# Altium PCB 8-8控制板.PcbDoc (part 4 of 5)
Units mm, origin at the board's own origin, x right, y up, seen from the top; angles counter-clockwise.
Board outline 201.71 x 160.33 mm, 2 copper layers (Top Layer, Bottom Layer); 240 components, 178 nets, 689 pads, 262 vias.
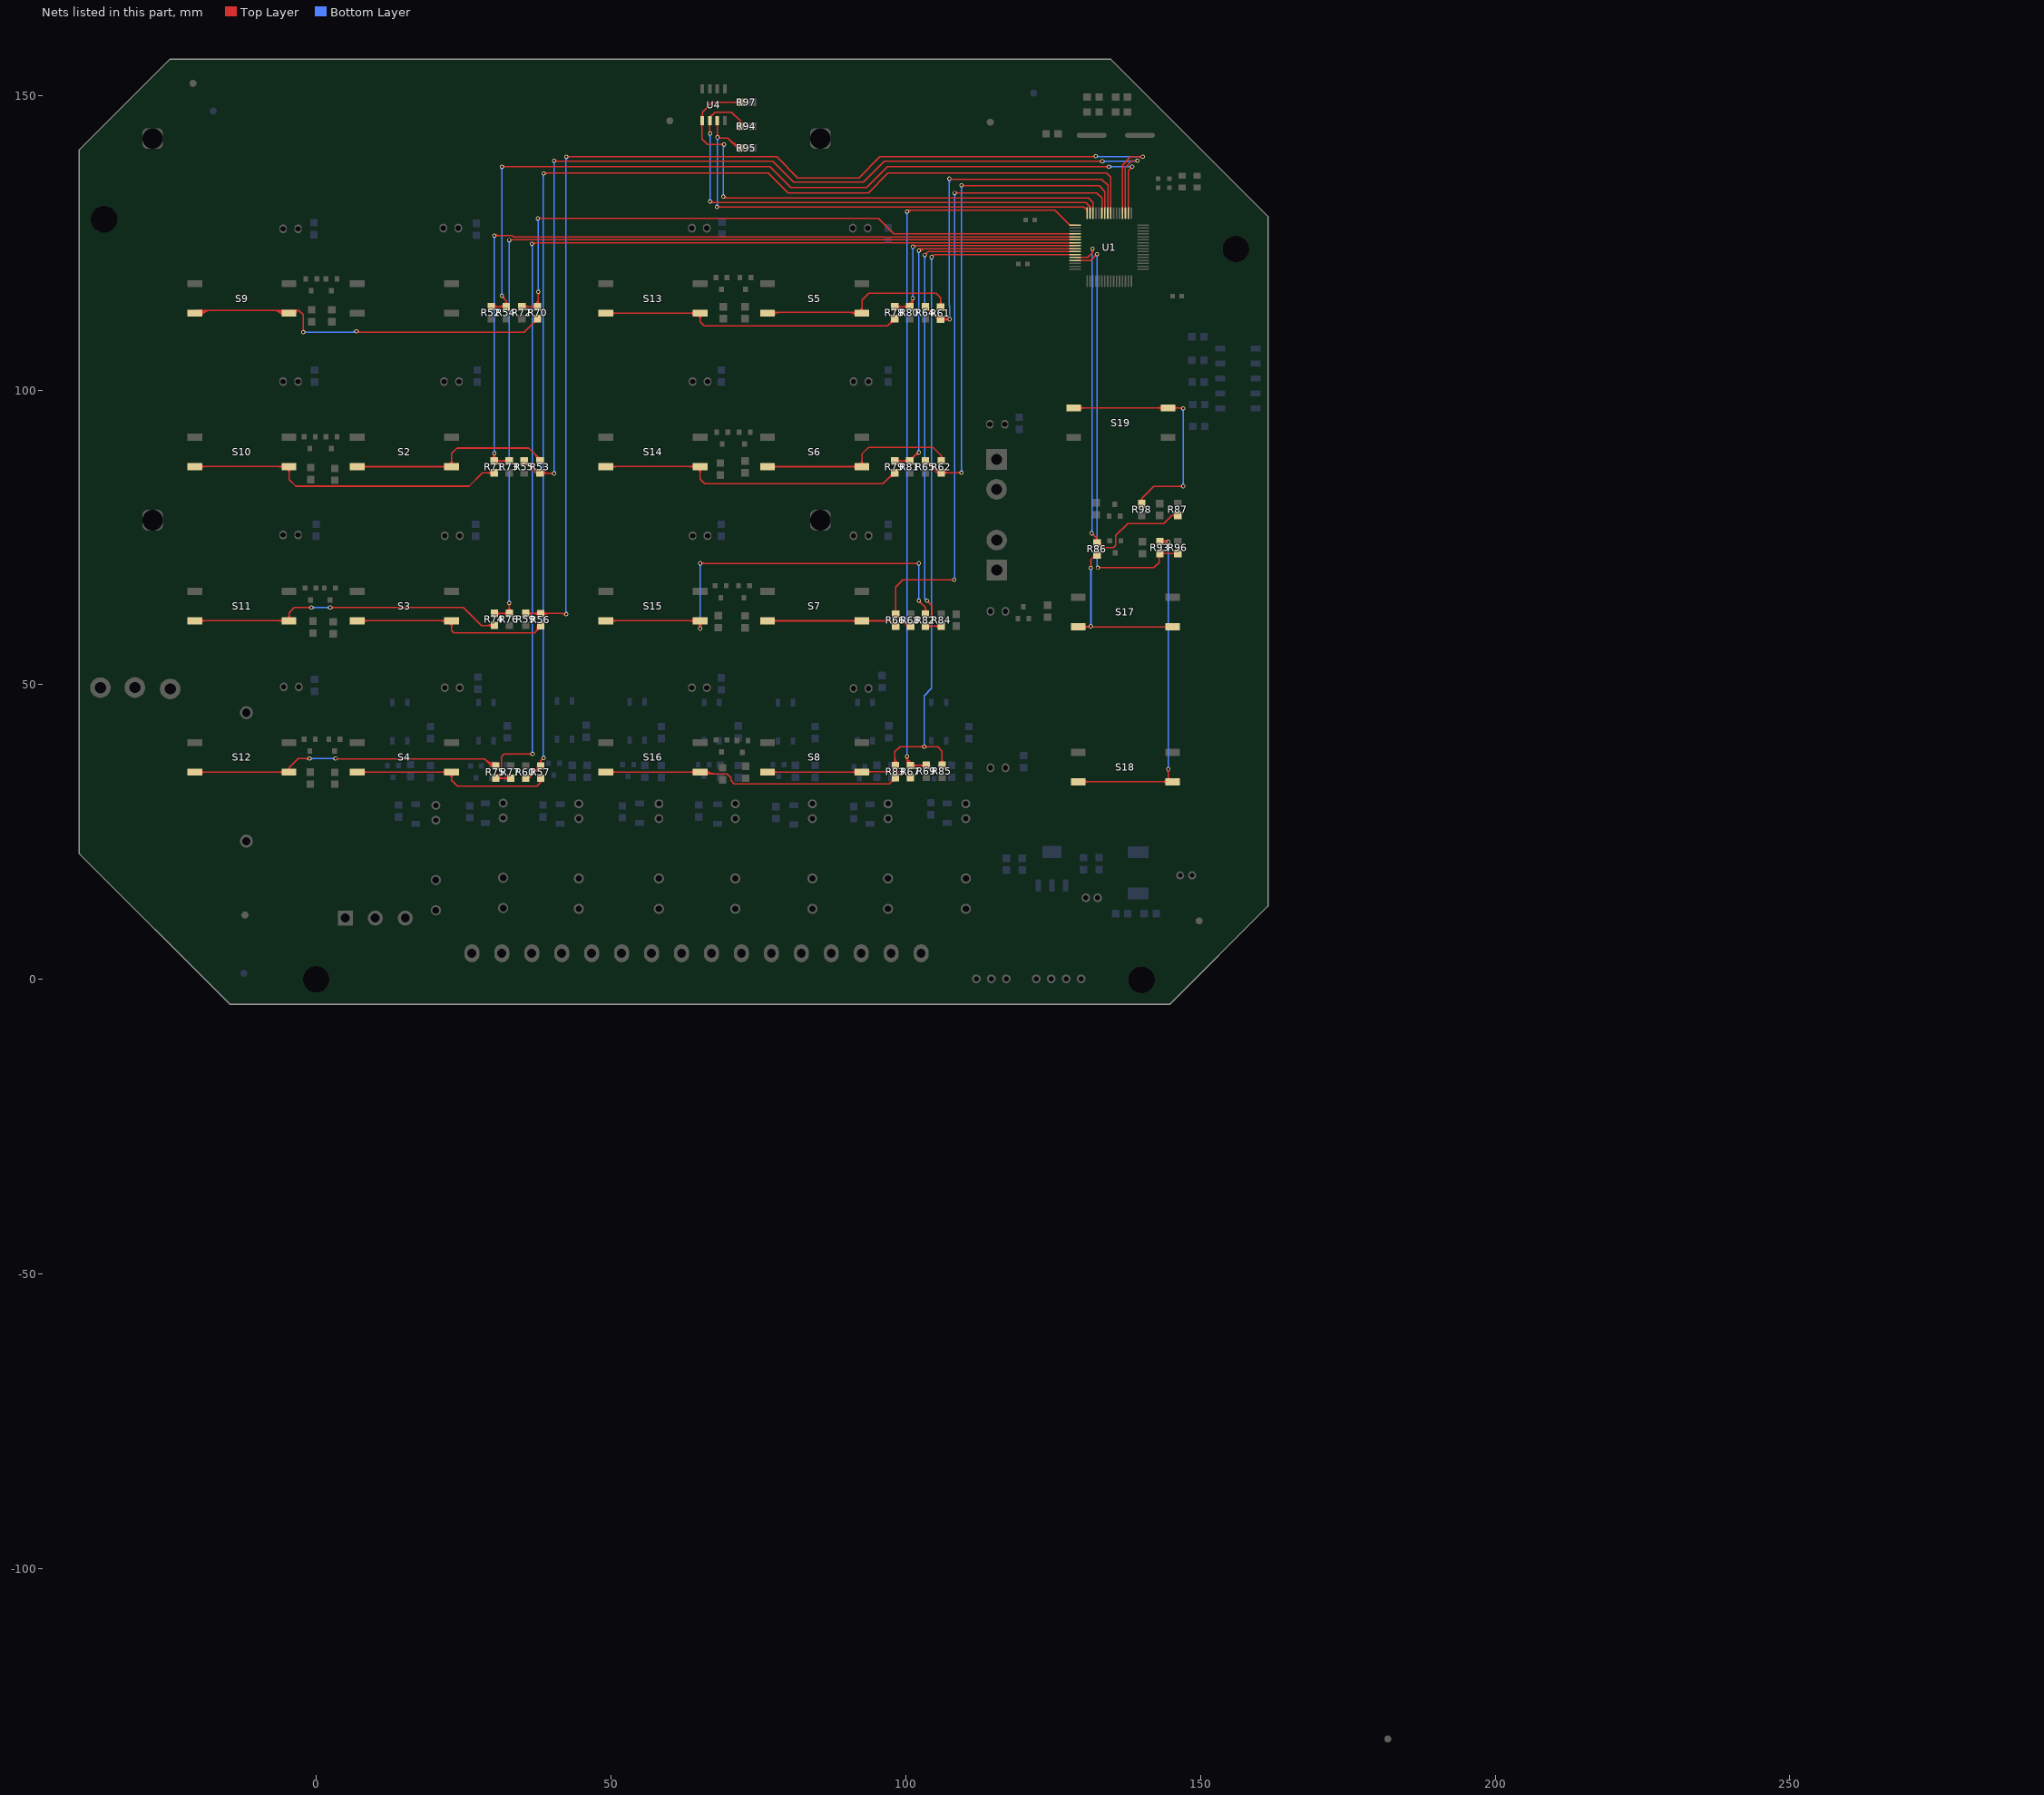
[diagram p4: the nets of this part, all layers, seen from the top]

## Via types
v1: diameter 0.7, hole 0.4, Top Layer to Bottom Layer, 242 vias
v2: diameter 0.7, hole 0.5, Top Layer to Bottom Layer, 18 vias
v3: diameter 1, hole 0.4, Top Layer to Bottom Layer, 2 vias

## Nets (pads, with @x,y where several pads share a name; then routed paths per layer and width w, separated by ;. In a path a pad name is that pad's centre, name@x,y a point inside that pad or via, vN(x,y) a via of type N, cw(c..) or ccw(c..) an arc to the next point about the centre after c; other vN are vias at no path point) (continued)
NetR52_2: R52.2 R54.2 U1.2 | length 161.1
  Top Layer w0.203: R52.2@29.693,114.148 R54.2@32.233,114.148 32.233,115.214 ; R52.2@29.926,113.914 cw(c30.49,113.35) 30.49,114.148 cw(c30.49,114.945) R52.2@29.926,114.381 ; R52.2@30.07,113.77 cw(c30.98,112.86) 30.98,114.148 cw(c30.98,115.435) R52.2@30.07,114.525 ; v1@31.496,115.703 cw(c31.496,115.103) 31.92,115.527 cw(c32.344,115.951) v1@31.744,115.951 ; v1(31.496,115.951) 32.233,115.214 ; v1(31.496,137.922) 31.521,137.897 76.962,137.897 80.493,134.366 93.37,134.366 96.901,137.897 v1(134.493,137.897) ; v1@31.672,137.746 cw(c32.034,137.384) 32.034,137.897 ; v1@31.672,138.098 ccw(c32.157,138.583) 32.157,137.897 ; R54.2@31.855,113.77 ccw(c30.945,112.86) 30.945,114.148 ccw(c30.945,115.435) R54.2@31.855,114.525 ; R54.2@31.913,114.574 ccw(c31.433,115.214) 32.233,115.214 ; R54.2@31.999,113.914 ccw(c31.435,113.35) 31.435,114.148 ccw(c31.435,114.945) R54.2@31.999,114.381 ; R54.2@32.034,114.412 ccw(c31.737,114.808) 32.233,114.808 ccw(c32.728,114.808) R54.2@32.431,114.412 ; R54.2@32.553,114.574 cw(c33.033,115.214) 32.233,115.214 ; v1@134.317,137.721 ccw(c133.893,137.297) 133.893,137.897 ccw(c133.893,138.496) v1@134.317,138.072 ; U1.2@137.778,130.023 137.778,137.244 v1(138.43,137.897) ; v1@138.182,137.897 cw(c137.582,137.897) 138.006,137.473 cw(c138.43,137.049) v1@138.43,137.648
  Bottom Layer w0.203: v1@31.32,116.127 ccw(c30.896,116.551) 31.496,116.551 ccw(c32.096,116.551) v1@31.672,116.127 ; v1@31.32,137.746 cw(c30.896,137.322) 31.496,137.322 cw(c32.096,137.322) v1@31.672,137.746 ; v1(31.496,115.951) v1(31.496,137.922) ; v1(134.493,137.897) v1(138.43,137.897) ; v1@134.669,137.721 cw(c135.093,137.297) 135.093,137.897 cw(c135.093,138.496) v1@134.669,138.072 ; v1@138.254,137.721 ccw(c137.83,137.297) 137.83,137.897 ccw(c137.83,138.496) v1@138.254,138.072
NetR53_1: R53.1 S2.2 S2.3 | length 43
  Top Layer w0.254: S2.2@6.961,87.01 S2.3@22.961,87.01 22.987,87.036 22.987,89.281 23.876,90.17 36.068,90.17 37.973,88.265 R53.1@37.973,88.011 ; S2.2@7.945,86.675 cw(c8.753,85.868) 8.753,87.01 cw(c8.753,88.151) S2.2@7.945,87.344 ; S2.3@21.976,86.675 ccw(c21.169,85.868) 21.169,87.01 ccw(c21.169,88.151) S2.3@21.976,87.344 ; S2.3@22.626,87.344 ccw(c21.755,88.215) 22.987,88.215 ; 22.987,88.088 ccw(c24.039,88.088) S2.3@23.295,87.344 ; 36.926,89.312 cw(c35.625,88.011) R53.1@37.465,88.011 ; 37.36,88.878 cw(c36.493,88.011) R53.1@37.719,88.011 ; 37.539,88.699 ccw(c37.973,89.132) R53.1@37.973,88.519
NetR53_2: R53.2 R55.2 U1.3 | length 194.1
  Top Layer w0.203: R55.2@35.281,87.452 cw(c35.281,86.164) 36.191,87.075 cw(c37.102,87.986) R55.2@35.814,87.986 ; R55.2@35.281,87.655 cw(c35.281,86.858) 35.844,87.422 cw(c36.408,87.986) R55.2@35.611,87.986 ; R55.2@35.281,87.986 37.287,85.979 ; R55.2@35.892,87.375 ccw(c37.973,89.456) R53.2@37.973,86.512 ; 36.239,87.028 ccw(c37.973,88.762) R53.2@37.973,86.309 ; 36.585,86.681 ccw(c37.973,88.068) R53.2@37.973,86.106 ; 36.932,86.334 ccw(c37.973,87.375) R53.2@37.973,85.903 ; 37.279,85.987 ccw(c37.973,86.681) R53.2@37.973,85.7 ; R53.2@37.456,85.848 ccw(c37.287,85.805) 37.287,85.979 ; R53.2@37.456,86.11 cw(c37.287,86.153) 37.287,85.979 ; R53.2@38.206,86.212 ccw(c39.077,87.083) 39.077,85.852 ; R53.2@38.35,85.602 cw(c38.954,84.998) 38.954,85.852 ; R53.2@38.35,86.356 ccw(c39.567,87.573) 39.567,85.852 ; v1@40.21,85.676 ccw(c39.786,85.252) 39.786,85.852 ccw(c39.786,86.452) v1@40.21,86.028 ; v1(40.361,138.913) 40.462,138.811 77.47,138.811 81.026,135.255 92.837,135.255 96.393,138.811 v1(133.35,138.811) ; v1(40.386,85.852) 38.1,85.852 R53.2@37.973,85.979 37.287,85.979 ; v1@40.393,138.945 ccw(c40.715,139.267) 40.715,138.811 ccw(c40.715,138.558) v1@40.536,138.737 ; v1@40.536,139.088 ccw(c41.206,139.758) 41.206,138.811 ; v1@133.174,138.635 ccw(c132.75,138.211) 132.75,138.811 ccw(c132.75,139.411) v1@133.174,138.987 ; U1.3@137.278,130.023 137.278,137.897 137.389,137.897 138.405,138.913 v1(139.319,138.913) ; v1@139.143,138.737 ccw(c138.719,138.313) 138.719,138.913 ccw(c138.719,139.512) v1@139.143,139.088
  Bottom Layer w0.203: v1@40.185,138.737 cw(c39.761,138.313) 40.361,138.313 cw(c40.96,138.313) v1@40.536,138.737 ; v1@40.21,86.028 ccw(c39.848,86.39) 40.361,86.39 ; 40.361,86.513 ccw(c41.047,86.513) v1@40.562,86.028 ; v1(40.361,138.913) 40.361,85.877 v1(40.386,85.852) ; v1(133.35,138.811) 139.217,138.811 v1(139.319,138.913) ; v1@133.526,138.635 cw(c133.95,138.211) 133.95,138.811 cw(c133.95,139.411) v1@133.526,138.987 ; 138.474,138.811 ccw(c138.474,139.758) v1@139.143,139.088 ; v1@139.143,138.737 ccw(c138.965,138.558) 138.965,138.811 ccw(c138.965,139.267) v1@139.287,138.945
NetR56_1: R56.1 S3.2 S3.3 | length 46.4
  Top Layer w0.203: S3.2@6.961,60.848 S3.3@22.961,60.848 22.962,60.847 22.962,59.157 23.343,58.776 37.059,58.776 ; S3.2@7.819,60.639 cw(c8.323,60.135) 8.323,60.848 cw(c8.323,61.56) S3.2@7.819,61.056 ; S3.2@7.963,60.495 cw(c8.814,59.644) 8.814,60.848 cw(c8.814,62.051) S3.2@7.963,61.2 ; S3.3@21.958,60.495 ccw(c21.107,59.644) 21.107,60.848 ccw(c21.107,62.051) S3.3@21.958,61.2 ; S3.3@22.102,60.639 ccw(c21.598,60.135) 21.598,60.848 ccw(c21.598,61.56) S3.3@22.102,61.056 ; S3.3@22.608,60.495 cw(c21.755,59.642) 22.962,59.642 ; S3.3@22.752,60.639 cw(c22.246,60.133) 22.962,60.133 ; 22.962,59.647 cw(c24.161,59.647) S3.3@23.313,60.495 ; 22.962,60.137 cw(c23.671,60.137) S3.3@23.169,60.639 ; 37.384,59.101 ccw(c36.511,59.974) R56.1@37.745,60.031 ; R56.1@37.542,60.021 cw(c35.888,59.946) 37.059,58.776 ; 37.598,59.315 cw(c38.075,58.838) R56.1@38.075,59.512 ; R56.1@37.71,59.427 ccw(c37.134,60.003) R56.1@37.948,60.04 ; R56.1@37.948,60.046 R56.1@38.075,60.046 38.075,59.792 37.059,58.776
NetR56_2: R56.2 R59.2 U1.4 | length 215.8
  Top Layer w0.203: R59.2@35.56,62.103 38.049,62.103 R56.2@38.075,62.078 42.316,62.078 v1(42.418,61.976) ; R59.2@35.793,61.87 cw(c36.357,61.306) 36.357,62.103 cw(c36.357,62.9) R59.2@35.793,62.336 ; R59.2@35.937,61.726 cw(c36.848,60.815) 36.848,62.103 ; R59.2@35.937,62.48 ccw(c36.848,63.391) 36.848,62.103 ; 36.726,62.103 cw(c36.726,60.729) R56.2@37.697,61.7 ; 37.216,62.103 cw(c37.216,61.219) R56.2@37.841,61.844 ; 37.339,62.103 ccw(c37.339,62.813) R56.2@37.841,62.311 ; R56.2@37.697,62.455 cw(c36.848,63.304) 36.848,62.103 ; R56.2@38.308,61.844 cw(c38.872,61.28) 38.872,62.078 cw(c38.872,62.875) R56.2@38.308,62.311 ; R56.2@38.452,61.7 cw(c39.362,60.79) 39.362,62.078 cw(c39.362,63.365) R56.2@38.452,62.455 ; 41.573,62.078 cw(c41.573,61.131) v1@42.242,61.8 ; v1@42.242,62.152 cw(c42.064,62.33) 42.064,62.078 cw(c42.064,61.622) v1@42.386,61.944 ; v1(42.418,139.573) 78.105,139.573 81.661,136.017 92.075,136.017 95.631,139.573 132.08,139.573 v1(132.207,139.7) ; v1@42.594,139.397 cw(c43.018,138.973) 43.018,139.573 cw(c43.018,140.173) v1@42.594,139.749 ; 131.301,139.573 ccw(c131.301,140.606) v1@132.031,139.876 ; 131.791,139.573 ccw(c131.791,140.116) v1@132.175,139.732 ; U1.4@136.778,130.023 136.778,138.151 138.2,139.573 v1(140.208,139.573) ; v1@140.032,139.397 ccw(c139.608,138.973) 139.608,139.573 ccw(c139.608,140.173) v1@140.032,139.749
  Bottom Layer w0.203: v1@42.242,62.152 ccw(c41.88,62.514) 42.393,62.514 ; v1@42.242,139.397 cw(c41.88,139.035) 42.393,139.035 ; 42.393,62.637 ccw(c43.079,62.637) v1@42.594,62.152 ; 42.393,138.912 cw(c43.079,138.912) v1@42.594,139.397 ; v1@42.393,139.573 42.393,62.001 v1(42.418,61.976) ; v1(132.207,139.7) 132.334,139.573 v1(140.208,139.573) ; v1@132.239,139.732 ccw(c132.623,140.116) 132.623,139.573 ; v1@132.383,139.876 ccw(c133.113,140.606) 133.113,139.573 ; v1@140.032,139.397 ccw(c139.608,138.973) 139.608,139.573 ccw(c139.608,140.173) v1@140.032,139.749
NetR57_1: R57.1 S4.2 S4.3 | length 43.7
  Top Layer w0.203: S4.2@6.961,35.194 S4.3@22.961,35.194 22.961,33.758 23.952,32.766 37.465,32.766 38.075,33.376 ; S4.2@7.819,34.985 cw(c8.323,34.481) 8.323,35.194 cw(c8.323,35.906) S4.2@7.819,35.402 ; S4.2@7.963,34.841 cw(c8.814,33.99) 8.814,35.194 cw(c8.814,36.397) S4.2@7.963,35.546 ; S4.3@21.958,34.841 ccw(c21.107,33.99) 21.107,35.194 ccw(c21.107,36.397) S4.3@21.958,35.546 ; S4.3@22.102,34.985 ccw(c21.598,34.481) 21.598,35.194 ccw(c21.598,35.906) S4.3@22.102,35.402 ; S4.3@22.608,34.841 cw(c21.757,33.99) 22.961,33.99 cw(c24.164,33.99) S4.3@23.313,34.841 ; S4.3@22.752,34.985 cw(c22.248,34.481) 22.961,34.481 cw(c23.673,34.481) S4.3@23.169,34.985 ; R57.1@37.892,33.636 cw(c37.797,33.376) 38.075,33.376 ; R57.1@38.075,34.138 38.075,33.376 ; R57.1@38.257,33.636 ccw(c38.352,33.376) 38.075,33.376
NetR57_2: R57.2 R60.2 U1.8 | length 223.6
  Top Layer w0.203: R60.2@35.535,34.061 ccw(c35.535,35.104) 36.272,34.367 ; R60.2@35.535,34.138 36.043,34.138 R57.2@38.075,36.17 38.075,37.084 ; R60.2@35.535,34.265 ccw(c35.535,35.798) 36.619,34.714 ; R60.2@35.535,34.468 ccw(c35.535,36.491) 36.965,35.06 ; R60.2@35.535,34.671 ccw(c35.535,37.185) 37.312,35.407 ; R57.2@37.541,36.17 cw(c36.253,36.17) 37.164,35.259 cw(c38.075,34.348) R57.2@38.075,35.636 ; R57.2@37.744,36.17 cw(c36.947,36.17) 37.511,35.606 cw(c38.075,35.042) R57.2@38.075,35.839 ; R57.2@37.812,36.634 ccw(c37.558,37.084) 38.075,37.084 ; v1@38.334,37.592 cw(c37.735,37.592) 38.159,37.168 cw(c38.583,36.744) v1@38.583,37.344 ; R57.2@38.337,36.634 cw(c38.592,37.084) 38.075,37.084 ; v1(38.583,37.592) 38.075,37.084 ; v1@38.608,136.652 38.763,136.807 76.708,136.807 80.038,133.477 93.698,133.477 97.028,136.807 134.087,136.807 134.778,136.116 U1.8@134.778,130.023 ; v1@38.784,136.603 cw(c39.274,136.113) 39.274,136.807 ; v1@38.784,136.955 ccw(c39.141,137.312) 39.141,136.807
  Bottom Layer w0.203: v1@38.407,37.768 ccw(c38.162,38.013) 38.509,38.013 ; v1@38.432,136.603 cw(c38.248,136.419) 38.509,136.419 ; 38.509,38.37 ccw(c39.361,38.37) v1@38.758,37.768 ; 38.509,135.939 cw(c39.448,135.939) v1@38.784,136.603 ; 38.509,136.43 cw(c38.957,136.43) v1@38.64,136.747 ; v1(38.583,37.592) 38.509,37.666 38.509,136.553 v1@38.608,136.652
  other v1: 38.608,136.779
NetR61_1: R61.1 S5.2 S5.3 | length 45.8
  Top Layer w0.203: S5.2@76.557,113.172 92.557,113.172 92.583,113.198 92.583,115.316 93.726,116.459 105.156,116.459 105.918,115.697 R61.1@105.918,114.046 ; S5.2@77.415,112.836 cw(c78.226,112.025) 78.226,113.172 ; S5.2@77.559,112.692 cw(c78.716,111.535) 78.716,113.172 ; S5.2@77.559,113.397 ccw(c78.103,113.941) 78.103,113.172 ; 90.397,113.172 cw(c90.397,111.535) S5.3@91.554,112.692 ; 90.887,113.172 cw(c90.887,112.025) S5.3@91.698,112.836 ; 91.01,113.172 ccw(c91.01,113.941) S5.3@91.554,113.397 ; S5.3@92.204,113.397 ccw(c91.29,114.312) 92.583,114.312 ; S5.3@92.348,113.253 ccw(c91.78,113.821) 92.583,113.821 ; 92.583,113.694 ccw(c93.206,113.694) S5.3@92.765,113.253 ; 92.583,114.184 ccw(c93.696,114.184) S5.3@92.909,113.397 ; R61.1@105.541,114.423 ccw(c104.63,115.334) 105.918,115.334 ccw(c107.206,115.334) R61.1@106.295,114.423 ; R61.1@105.685,114.279 ccw(c105.121,114.843) 105.918,114.843 ccw(c106.715,114.843) R61.1@106.151,114.279
NetR61_2: R61.2 R64.2 U1.9 | length 77.7
  Top Layer w0.203: R64.2@103.353,113.614 cw(c103.353,112.326) 104.263,113.237 cw(c105.174,114.148) R64.2@103.886,114.148 ; R64.2@103.353,113.817 cw(c103.353,113.02) 103.916,113.584 cw(c104.48,114.148) R64.2@103.683,114.148 ; R64.2@103.353,114.148 105.486,112.014 R61.2@105.918,112.014 v1(107.442,112.014) ; 104.27,113.23 ccw(c105.918,114.878) R61.2@105.918,112.547 ; 104.617,112.883 ccw(c105.918,114.184) R61.2@105.918,112.344 ; 104.964,112.536 ccw(c105.918,113.49) R61.2@105.918,112.141 ; R61.2@106.151,111.781 cw(c106.715,111.217) 106.715,112.014 cw(c106.715,112.811) R61.2@106.151,112.247 ; R61.2@106.295,111.637 cw(c107.206,110.726) 107.206,112.014 cw(c107.206,113.302) R61.2@106.295,112.391 ; 106.704,111.88 cw(c106.914,111.099) v1@107.318,111.799 ; 106.704,112.148 ccw(c106.914,112.929) v1@107.318,112.229 ; 106.99,111.956 ccw(c106.888,112.334) v1@107.227,112.138 ; 106.99,112.072 cw(c106.888,111.694) v1@107.227,111.89 ; v1@107.266,111.838 ccw(c106.842,111.414) 106.842,112.014 ccw(c106.842,112.614) v1@107.266,112.19 ; v1(107.417,135.865) 107.544,135.738 133.262,135.738 134.278,134.722 U1.9@134.278,130.023 ; v1@107.449,135.897 ccw(c107.832,136.28) 107.832,135.738 ; v1@107.592,136.04 ccw(c108.323,136.771) 108.323,135.738
  Bottom Layer w0.203: v1@107.241,135.689 cw(c106.817,135.265) 107.417,135.265 cw(c108.016,135.265) v1@107.592,135.689 ; v1@107.266,112.19 ccw(c106.842,112.614) 107.442,112.614 ccw(c108.042,112.614) v1@107.618,112.19 ; v1(107.417,135.865) 107.417,114.325 107.442,114.3 v1(107.442,112.014)
NetR62_1: R62.1 S6.2 S6.3 | length 40
  Top Layer w0.254: S6.2@76.557,87.01 S6.3@92.557,87.01 92.583,87.036 92.583,89.154 93.726,90.297 104.648,90.297 106.045,88.9 ; S6.2@77.541,86.675 cw(c78.349,85.868) 78.349,87.01 cw(c78.349,88.151) S6.2@77.541,87.344 ; S6.3@91.572,86.675 ccw(c90.765,85.868) 90.765,87.01 ccw(c90.765,88.151) S6.3@91.572,87.344 ; S6.3@92.222,87.344 ccw(c91.351,88.215) 92.583,88.215 ; 92.583,88.088 ccw(c93.635,88.088) S6.3@92.891,87.344 ; R62.1@105.787,88.449 ccw(c105.521,88.9) 106.045,88.9 ; R62.1@106.045,88.011 106.045,88.9 ; R62.1@106.303,88.449 cw(c106.569,88.9) 106.045,88.9
NetR62_2: R62.2 R65.2 U1.10 | length 103
  Top Layer w0.203: R65.2@103.353,87.452 cw(c103.353,86.164) 104.263,87.075 cw(c105.174,87.986) R65.2@103.886,87.986 ; R65.2@103.353,87.655 cw(c103.353,86.858) 103.916,87.422 cw(c104.48,87.986) R65.2@103.683,87.986 ; R65.2@103.353,87.986 105.359,85.979 ; R65.2@103.964,87.375 ccw(c106.045,89.456) R62.2@106.045,86.512 ; 104.311,87.028 ccw(c106.045,88.762) R62.2@106.045,86.309 ; 104.657,86.681 ccw(c106.045,88.068) R62.2@106.045,86.106 ; 105.004,86.334 ccw(c106.045,87.375) R62.2@106.045,85.903 ; 105.351,85.987 ccw(c106.045,86.681) R62.2@106.045,85.7 ; R62.2@105.528,85.848 ccw(c105.359,85.805) 105.359,85.979 ; R62.2@105.528,86.11 cw(c105.359,86.153) 105.359,85.979 ; R62.2@106.278,85.746 cw(c106.842,85.182) 106.842,85.979 cw(c106.842,86.776) R62.2@106.278,86.212 ; R62.2@106.422,85.602 cw(c107.333,84.691) 107.333,85.979 cw(c107.333,87.267) R62.2@106.422,86.356 ; v1@109.298,85.803 ccw(c108.874,85.379) 108.874,85.979 ccw(c108.874,86.579) v1@109.298,86.155 ; v1(109.474,85.979) R62.2@106.045,85.979 105.359,85.979 ; v1(109.474,134.747) 109.573,134.648 132.836,134.648 133.778,133.706 U1.10@133.778,130.023 ; v1@109.506,134.779 ccw(c109.823,135.096) 109.823,134.648 ; v1@109.65,134.571 cw(c109.834,134.387) 109.834,134.648 ; v1@109.65,134.923 ccw(c110.314,135.587) 110.314,134.648
  Bottom Layer w0.203: v1@109.298,86.155 ccw(c108.874,86.579) 109.474,86.579 ccw(c110.074,86.579) v1@109.65,86.155 ; v1@109.298,134.571 cw(c108.916,134.189) 109.457,134.189 ; 109.457,134.105 cw(c110.116,134.105) v1@109.65,134.571 ; v1(109.474,85.979) 109.474,133.21 109.457,133.228 109.457,134.73 v1(109.474,134.747)
NetR66_1: R66.1 S7.2 S7.3 | length 29.4
  Top Layer w0.254: S7.2@76.557,60.848 S7.3@92.557,60.848 97.394,60.848 R66.1@98.298,59.944 ; S7.2@77.541,60.513 cw(c78.349,59.706) 78.349,60.848 cw(c78.349,61.989) S7.2@77.541,61.182 ; S7.3@91.572,60.513 ccw(c90.765,59.706) 90.765,60.848 ccw(c90.765,61.989) S7.3@91.572,61.182 ; S7.3@93.541,60.513 cw(c94.349,59.706) 94.349,60.848 cw(c94.349,61.989) S7.3@93.541,61.182 ; R66.1@97.79,59.944 ccw(c96.564,59.944) 97.431,60.811 ccw(c98.298,61.678) R66.1@98.298,60.452
NetR66_2: R66.2 R68.2 U1.11 | length 113.8
  Top Layer w0.203: R68.2@100.838,59.944 100.33,59.944 R66.2@98.298,61.976 98.298,66.548 99.568,67.818 v1(108.204,67.818) ; v1(108.331,133.477) 108.356,133.452 132.389,133.452 133.278,132.563 U1.11@133.278,130.023 ; v1@108.507,133.301 cw(c108.869,132.939) 108.869,133.452 ; v1@108.507,133.653 ccw(c108.992,134.138) 108.992,133.452
  Bottom Layer w0.203: v1@108.155,133.301 cw(c107.731,132.877) 108.331,132.877 cw(c108.931,132.877) v1@108.507,133.301 ; v1(108.204,67.818) 108.331,67.945 v1(108.331,133.477)
NetR67_1: R67.1 S8.2 S8.3 | length 36.7
  Top Layer w0.203: S8.2@76.557,35.194 S8.3@92.557,35.194 92.644,35.281 99.797,35.281 R67.1@100.813,34.265 ; S8.2@77.415,34.985 cw(c77.919,34.481) 77.919,35.194 cw(c77.919,35.906) S8.2@77.415,35.402 ; S8.2@77.559,34.841 cw(c78.41,33.99) 78.41,35.194 cw(c78.41,36.397) S8.2@77.559,35.546 ; S8.3@91.554,34.841 ccw(c90.703,33.99) 90.703,35.194 ccw(c90.703,36.397) S8.3@91.554,35.546 ; S8.3@91.698,34.985 ccw(c91.194,34.481) 91.194,35.194 ccw(c91.194,35.906) S8.3@91.698,35.402 ; S8.3@93.415,34.985 cw(c94.129,34.271) 94.129,35.281 ; S8.3@93.559,34.841 cw(c94.62,33.78) 94.62,35.281 ; S8.3@93.559,35.546 ccw(c94.2,36.187) 94.2,35.281 ; R67.1@100.279,34.265 ccw(c98.991,34.265) 99.902,35.175 ccw(c100.813,36.086) R67.1@100.813,34.798 ; R67.1@100.482,34.265 ccw(c99.685,34.265) 100.249,34.828 ccw(c100.813,35.392) R67.1@100.813,34.595
NetR67_2: R67.2 R69.2 U1.17 | length 143.4
  Top Layer w0.203: v1@100.027,37.67 cw(c99.603,37.246) 100.203,37.246 cw(c100.803,37.246) v1@100.379,37.67 ; v1@100.079,37.631 cw(c99.901,37.322) 100.245,37.415 ; v1@100.089,37.625 cw(c99.852,37.169) 100.349,37.302 cw(c100.846,37.435) v1@100.412,37.712 ; 100.203,37.02 ccw(c101.036,37.02) R67.2@100.79,36.224 ; 100.203,37.295 ccw(c101.121,37.295) R67.2@100.85,36.418 ; v1@100.203,37.57 ccw(c101.206,37.57) R67.2@100.91,36.612 ; v1(100.203,130.302) 100.432,130.531 125.324,130.531 127.857,127.998 U1.17@128.753,127.998 ; v1@100.235,130.27 cw(c100.864,129.641) 100.864,130.531 ; 100.305,37.188 cw(c100.882,37.343) v1@100.403,37.698 ; v1@100.379,130.126 cw(c101.355,129.15) 101.355,130.531 ; R67.2@100.97,36.806 cw(c101.291,37.846) v1(100.203,37.846) 100.203,36.906 R67.2@100.813,36.297 100.838,36.322 R69.2@103.505,36.322 ; R67.2@101.046,36.063 cw(c101.671,35.438) 101.671,36.322 ; R67.2@101.046,36.53 ccw(c101.548,37.032) 101.548,36.322 ; R67.2@101.19,35.919 cw(c102.162,34.948) 102.162,36.322 ; R67.2@101.19,36.674 ccw(c102.039,37.523) 102.039,36.322 ; R69.2@103.128,35.945 ccw(c102.217,35.034) 102.217,36.322 ccw(c102.217,37.61) R69.2@103.128,36.699 ; R69.2@103.272,36.089 ccw(c102.708,35.525) 102.708,36.322 ccw(c102.708,37.119) R69.2@103.272,36.555
  Bottom Layer w0.203: v1@100.027,130.126 cw(c99.486,129.585) 100.252,129.585 ; v1(100.203,37.846) 100.252,37.895 v1@100.252,130.253 ; 100.252,129.82 cw(c100.685,129.82) v1@100.379,130.126
NetR70_1: R70.1 S9.2 S9.3 | length 88.7
  Top Layer w0.203: S9.2@-20.598,113.553 -2.936,113.553 ; S9.2@-20.171,113.267 cw(c-19.481,112.577) S9.2@-19.481,113.553 ; S9.2@-20.027,113.123 cw(c-18.99,112.087) -18.99,113.553 ; S9.2@-19.883,112.98 cw(c-18.5,111.596) -18.5,113.553 ; S9.2@-19.74,112.836 cw(c-18.009,111.105) -18.009,113.553 ; S9.2@-19.596,112.692 cw(c-17.519,110.615) -17.519,113.553 ; -7.678,113.553 cw(c-7.678,110.615) S9.3@-5.601,112.692 ; -7.187,113.553 cw(c-7.187,111.105) S9.3@-5.457,112.836 ; -6.697,113.553 cw(c-6.697,111.596) S9.3@-5.313,112.98 ; -6.206,113.553 cw(c-6.206,112.087) S9.3@-5.17,113.123 ; S9.3@-5.716,113.553 cw(c-5.716,112.577) S9.3@-5.026,113.267 ; S9.3@-4.06,113.045 cw(c-3.549,113.042) S9.3@-3.549,113.553 ; S9.3@-3.856,113.044 cw(c-3.345,113.041) -3.345,113.553 ; S9.3@-3.653,113.043 cw(c-3.14,113.039) -3.14,113.553 ; S9.3@-3.45,113.041 cw(c-2.936,113.038) -2.936,113.553 ; v1@-2.36,110.005 ccw(c-2.784,110.429) -2.184,110.429 ccw(c-1.585,110.429) v1@-2.009,110.005 ; v1(-2.184,109.83) -2.184,112.801 -2.936,113.553 ; v1(6.833,109.957) 6.96,109.83 35.281,109.83 R70.1@37.567,112.116 ; v1@6.865,109.989 ccw(c7.248,110.372) 7.248,109.83 ; v1@7.008,110.132 ccw(c7.739,110.863) 7.739,109.83 ; R70.1@37.033,112.116 cw(c35.745,112.116) 36.656,111.205 cw(c37.567,110.294) R70.1@37.567,111.582 ; R70.1@37.236,112.116 cw(c36.439,112.116) 37.003,111.552 cw(c37.567,110.988) R70.1@37.567,111.785
  Bottom Layer w0.203: v1(-2.184,109.83) 6.706,109.83 v1(6.833,109.957) ; v1@-2.009,109.654 cw(c-1.585,109.23) -1.585,109.83 cw(c-1.585,110.429) v1@-2.009,110.005 ; 5.926,109.83 ccw(c5.926,110.863) v1@6.657,110.132 ; 6.417,109.83 ccw(c6.417,110.372) v1@6.801,109.989